# KiCad board SuS.kicad_pcb (continued)
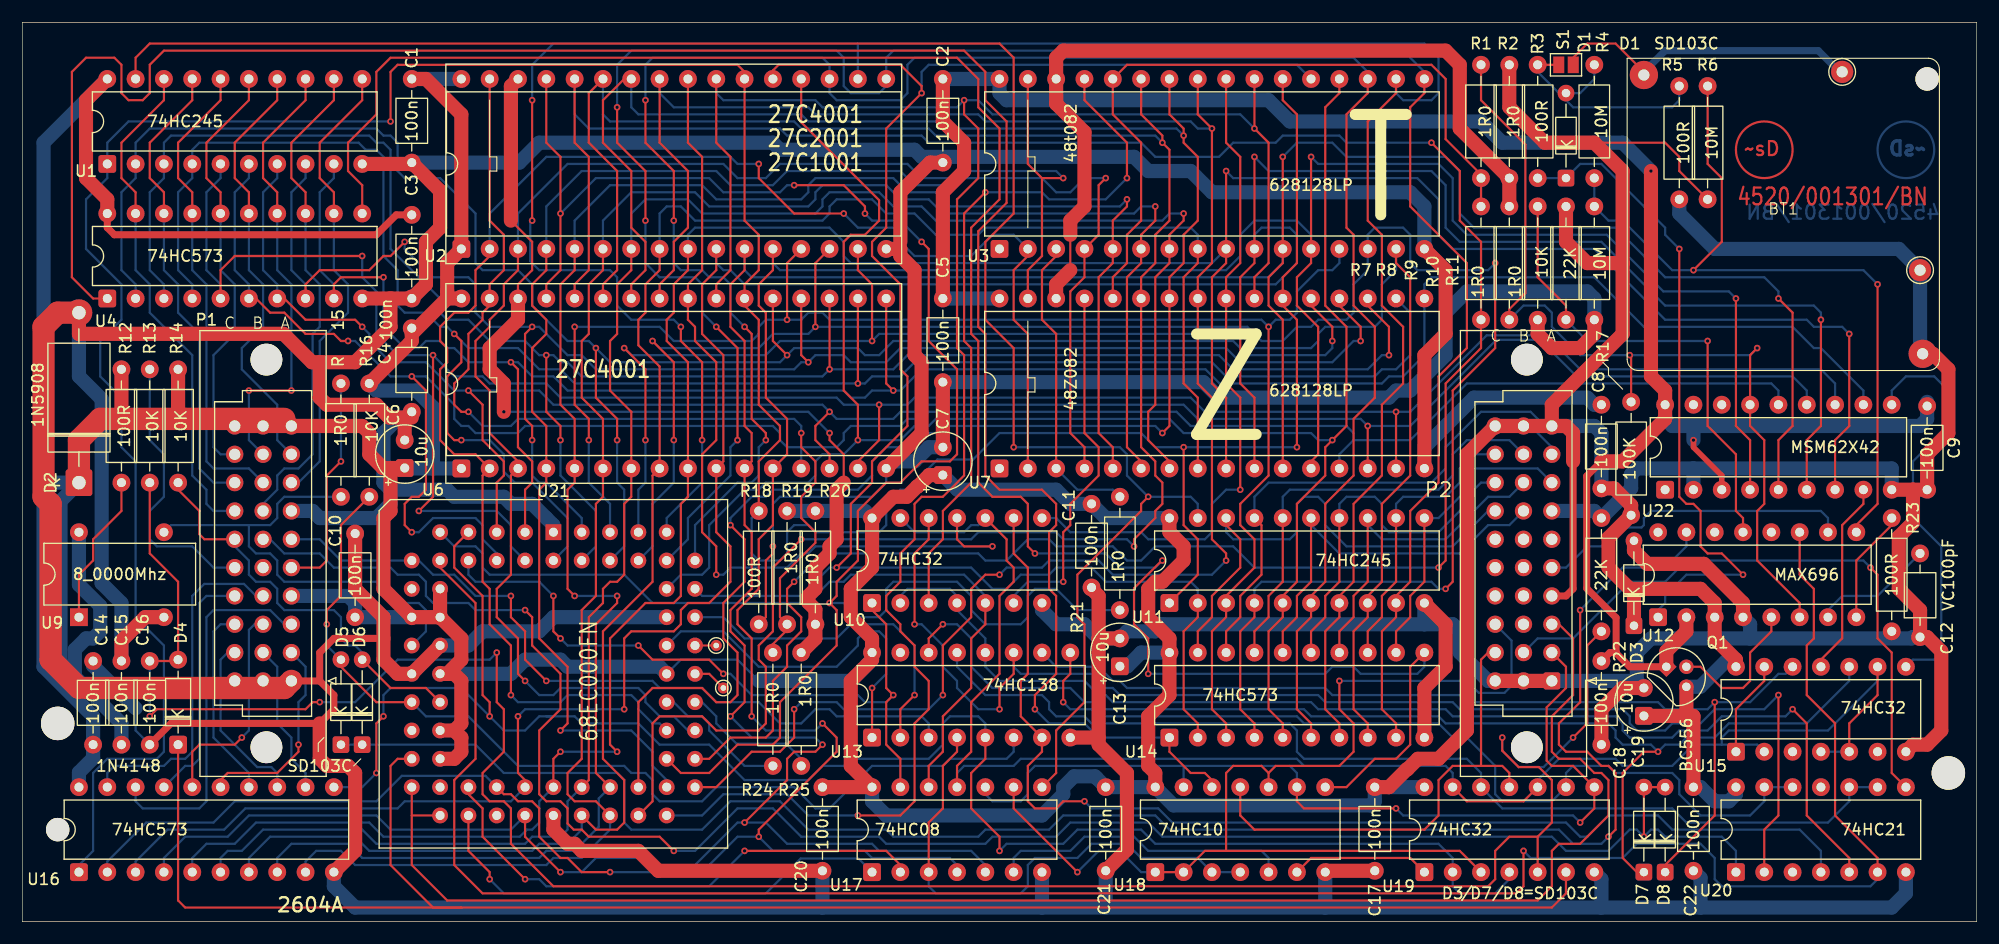
[diagram p0: board, top side]
## Routing (per net, layer and track width the routed paths; a pad name or vN(x,y) marks a point on that pad's centre or on a via; arc(x,y) is an arc through that point)
GND: length 1056.9
  Top w0.2: v1(67.31,33.66) 67.31,33.02 66.67,32.39 66.67,27.31 R18.1
  Top w0.635: 32.39,25.4 27.94,25.4 26.67,24.13 26.67,21.59 ; 26.67,21.59 P1.a1 ; 26.67,21.59 27.94,20.32 27.94,19.05 26.67,17.78 13.33,17.78 C16.1
  Top w1.27: C10.2 29.84,29.84 32.39,27.31 32.39,23.5 33.66,22.23 U21.18 U21.17 ; 26.67,50.17 25.98,50.17 23.43,52.71 5.09,52.71 5.08,52.7 D2.2 ; 26.67,50.17 29.84,50.17 33.02,53.34 33.02,55.88 ; 26.67,50.17 26.67,46.99 27.31,46.36 31.75,46.36 32.9,45.2 34.29,45.2 ; 5.08,20.95 5.72,20.95 ; P2.c1 P2.a1 ; R9.1 135.89,52.7 137.16,51.44 139.7,51.44 140.97,52.7 R11.1 ; U3.16 127.64,58.42 127.64,52.7 125.73,50.8 U7.16 ; BT1.2 171.33,50.92 172.72,49.53 172.72,43.81 170.81,41.91 C9.2 169.55,38.73 ; C19.2 143.51,20.95 141.61,19.05 C18.1 ; D3.2 144.53,33.27 145.72,32.08 150.8,32.08 154.31,28.58 U12.4 ; 26.67,17.78 26.67,14.6 27.31,13.97 29.21,13.97 29.84,13.34 29.84,6.35 U16.10 ; U1.10 34.81,67.95 C1.2 37.47,65.53 37.47,62.23 36.2,60.96 36.2,57.15 C3.2 33.02,55.88 ; U4.10 33.02,55.88 ; U2.16 78.74,60.33 78.74,59.69 80.01,58.42 80.01,50.8 80.64,50.17 80.64,43.81 U6.16 ; C15.2 8.89,25.19 11.01,27.31 U9.4 ; U11.10 127.64,26.67 127.64,22.86 125.73,20.95 U14.10 ; U15.7 169.55,15.88 170.81,15.88 172.08,17.15 172.08,24.25 170.81,25.52 C12.2 170.18,27.94 168.27,29.84 168.27,34.52 169.55,35.79 169.55,38.73 ; C20.2 57.03,4.56 55.25,6.35 50.17,6.35 49.53,6.99 48.89,6.99 47.62,8.25 U21.35 ; 96.52,25.4 96.52,29.21 95.89,29.84 ; 96.52,25.4 96.52,16.51 ; 96.52,25.4 C13.2 ; 34.29,45.2 34.92,45.2 ; 34.29,45.2 C6.2 ; U18.7 116.96,4.56 C17.2 ; U22.9 169.55,38.73 ; 96.52,16.51 96.52,15.88 99.06,13.34 99.06,6.47 C21.2 ; 96.52,16.51 U13.8 ; C5.2 C7.2 ; 78.74,60.96 78.74,65.41 81.4,68.06 C2.2
  Top w2: P1.a1 23.5,20.95 5.72,20.95 ; 5.08,20.95 2.54,23.5 2.54,37.47 1.91,38.1 1.91,53.34 3.17,54.61 D2.2
  Bottom w0.2: C16.1 10.16,17.15 10.16,19.14 ; v1(67.31,33.66) 67.31,37.47 67.95,38.1 76.2,38.1 77.47,39.37 U6.16
  Bottom w1.27: U11.10 125.73,26.67 ; 125.73,26.67 102.23,26.67 101.6,26.03 99.06,26.03 C13.2 96.52,25.4 95.25,26.67 92.71,26.67 91.44,27.94 U10.7 ; 125.73,26.67 128.27,26.67 128.9,26.03 128.9,24.13 131.44,21.59 P2.c1 ; 150.5,1.27 150.5,3.93 C22.2 ; 150.5,1.27 141.61,1.27 ; 150.5,1.27 167.64,1.27 168.91,2.54 U20.7 ; 154.94,25.4 154.94,26.67 U12.4 ; 154.94,25.4 169.43,25.4 169.55,25.52 C12.2 ; 154.94,25.4 146.05,25.4 144.78,24.13 144.78,21.59 ; 149.86,40.64 167.64,40.64 U22.9 ; 149.86,40.64 144.78,40.64 144.27,40.13 144.27,38.86 R22.2 140.97,36.83 P2.a7 ; 149.86,40.64 U22.2 ; U19.7 141.61,3.81 141.61,1.27 ; U16.10 27.94,3.18 29.84,1.27 71.75,1.27 ; C21.2 97.15,1.27 ; 97.15,1.27 116.84,1.27 ; 97.15,1.27 91.44,1.27 ; C1.2 44.57,68.06 46.36,69.85 67.31,69.85 67.95,69.22 80.01,69.22 80.64,68.58 99.7,68.58 100.96,67.31 104.77,67.31 106.68,65.41 124.46,65.41 125.73,64.14 U3.16 ; 10.16,19.14 6.35,22.95 C14.2 ; 116.84,1.27 141.61,1.27 ; 116.84,1.27 U18.7 ; C20.2 71.75,1.27 ; 71.75,1.27 91.44,1.27 ; C7.2 81.28,42.55 80.01,41.28 78.11,41.28 U6.16 ; R11.1 140.97,55.88 140.33,56.52 129.54,56.52 127.64,54.61 127.64,50.8 124.46,47.62 123.19,47.62 122.55,46.99 107.32,46.99 105.92,48.38 C5.2 ; 91.44,1.27 U17.7 ; U21.1 47.62,35.56 45.72,37.47 43.81,37.47 43.18,38.1 38.73,38.1 38.1,38.73 33.02,38.73 ; 170.18,51.16 TP4.1 168.27,60.33 151.76,60.33 148.59,63.5 R5.1 ; P2.a1 144.78,21.59 ; 144.78,21.59 C19.2 ; U21.17 40,24.77 41.28,26.03 46.36,26.03 47.62,27.31 U21.57 ; 33.02,38.73 33.02,37.47 31.75,36.2 26.67,36.2 26.03,36.83 P1.a7 ; 33.02,38.73 32.39,39.37 32.39,43.81 33.78,45.2 34.41,45.2 C4.2 ; U7.16 125.73,42.55 130.18,46.99 140.33,46.99 140.97,46.36 C8.2 ; D2.2 5.08,48.89 7.12,46.86 7.12,30.35 8.89,28.58 C15.2
VCC: length 706.2
  Top w0.2: R6.1 148.59,67.31 148.59,68.58 147.32,69.85 140.97,69.85
  Top w0.635: P2.a4 138.43,29.21 139.06,29.84 139.06,41.28 ; C3.1 33.53,63.38 31.75,61.59 8.26,61.59 7.62,62.23 U4.20
  Top w1.27: 33.02,40.68 32.34,40.68 31.11,41.91 31.11,43.81 30.48,44.45 P1.a10 ; 33.02,40.68 33.02,36.83 32.39,36.2 32.39,29.84 U21.14 U21.15 ; 33.02,40.68 C6.1 ; R10.2 138.43,60.96 140.33,59.06 143.51,59.06 ; P1.a10 23.5,45.09 ; P1.a10 P1.c10 ; 149.23,18.46 149.82,18.46 149.86,18.41 C22.1 ; 149.23,18.46 C19.1 ; 149.23,18.46 Q1.3 ; P2.a10 137.16,46.36 143.51,52.7 143.51,59.06 ; P2.a10 138.43,44.45 139.06,43.81 139.06,41.28 ; P2.a10 P2.c10 129.54,41.91 129.54,17.15 127,14.6 125.15,14.6 124.21,13.67 124.16,13.67 122.55,12.06 C17.1 ; 144.14,29.84 144.53,29.46 D3.1 ; 144.14,29.84 142.24,31.75 142.24,34.42 R17.1 144.27,37.34 142.75,38.86 C8.1 ; 144.14,29.84 150.5,29.84 151.76,28.58 U12.3 151.76,25.4 153.67,23.5 U15.14 ; U6.32 38.1,55.88 ; 38.1,55.88 34.92,52.7 34.92,52.07 R16.2 ; 38.1,55.88 38.1,59.06 U2.1 39.37,72.39 36.2,75.56 C1.1 ; U21.15 39.37,25.4 39.37,23.5 38.1,22.23 U21.19 38.73,22.23 39.37,21.59 39.37,17.78 38.73,17.15 ; U21.15 U21.13 ; U1.20 5.72,73.66 5.72,66.67 7.62,64.77 U4.20 ; R12.2 8.89,45.09 ; 143.51,59.06 143.51,67.31 140.97,69.85 136.52,69.85 133.35,73.03 R2.2 ; R14.2 13.97,45.72 14.61,45.09 ; C20.1 U17.14 74.3,13.97 74.3,21.59 76.2,23.5 U13.16 76.2,25.4 74.3,27.31 74.3,29.84 76.2,31.75 U10.14 78.11,38.1 79.32,38.1 80.26,39.04 80.31,39.04 81.32,40.05 C7.1 ; U21.25 38.73,14.6 39.37,15.24 39.37,16.51 38.73,17.15 ; U11.20 102.87,34.92 104.14,33.66 104.14,32.39 102.23,30.48 101.6,30.48 100.96,29.84 100.96,27.31 102.87,25.4 U14.20 102.87,20.32 100.96,18.41 100.96,13.97 101.6,13.34 U18.14 ; 38.73,17.15 U21.23
  Top w2: 23.5,45.09 6.98,45.09 5.08,43.18 D2.1
  Bottom w0.2: U21.53 59.06,23.5 64.14,23.5 66.04,21.59
  Bottom w1.27: U2.32 C1.1 ; 4.71,21.96 4.71,24.4 5.72,25.4 6.35,25.4 6.98,26.03 6.98,28.31 5.08,30.21 U9.8 ; 4.71,21.96 3.43,23.24 3.43,37.72 D2.1 1.91,39.37 ; 4.71,21.96 8.89,17.78 C15.1 ; U21.14 C10.1 29.84,28.58 29.21,29.21 P1.a4 ; U21.53 57.15,22.86 48.89,22.86 48.26,23.5 45.08,23.5 43.81,22.23 U21.19 ; C7.1 83.86,38.73 92.71,38.73 93.98,37.47 C11.1 97.15,36.2 U11.20 ; U17.14 76.2,10.8 77.47,9.53 91.44,9.53 93.35,11.43 93.35,12.06 94.31,13.03 96.19,13.03 96.36,12.87 96.36,12.86 C21.1 U18.14 103.24,10.43 120.92,10.43 121.29,10.8 C17.1 U19.14 ; U15.14 153.04,23.5 152.9,23.5 150.47,21.06 Q1.3 ; P2.a10 140.97,44.45 141.61,43.81 C8.1 ; 1.91,39.37 1.91,69.85 U1.20 ; 1.91,39.37 1.91,22.86 6.35,18.41 C14.1 6.35,14.66 5.08,13.39 U16.20 ; 36.83,40.64 34.33,40.64 ; 36.83,40.64 36.83,46.13 35.33,47.62 31.75,47.62 R16.2 ; 36.83,40.64 U6.1 ; U20.14 153.67,11.43 153.04,10.8 151.76,10.8 150.5,12.06 C22.1 ; 66.04,21.59 74.3,21.59 76.2,23.5 U13.16 ; R19.2 75.57,36.83 U10.14 ; C13.1 99.1,22.9 100.33,24.13 U14.20
VCCQ: length 75.2
  Top w0.2: 93.98,58.42 93.98,61.59
  Top w1.27: 93.98,61.59 93.98,62.87 95.25,64.14 95.25,70.8 92.71,73.34 U3.30 92.71,77.47 93.35,78.11 127.64,78.11 128.9,76.84 128.9,71.12 R2.1 R8.2 ; 93.98,58.42 92.71,57.15 U7.30
VDD: length 188.3
  Top w0.5: U22.3 152.4,40 149.86,42.55 v1(149.86,43.18)
  Top w0.635: C18.2 142.36,24.13 142.88,24.13 ; 142.88,24.13 142.92,24.18 142.92,27.26 140.29,29.89 140.29,39.96 141.61,41.28 ; 142.88,24.13 144.14,22.86 Q1.1
  Top w1.27: C5.1 82.55,65.41 84.45,67.31 84.45,69.85 82.55,71.75 C2.1 ; v1(146.05,67.31) 146.05,48.89 147.32,47.62 U22.18 147.32,45.09 143.51,41.28 141.61,41.28 ; 149.23,27.31 149.23,26.03 147.43,24.24 Q1.1
  Bottom w1.27: C2.1 U3.32 87.63,74.3 88.27,73.66 111.76,73.66 113.67,71.75 130.81,71.75 132.71,69.85 143.51,69.85 v1(146.05,67.31) ; U7.32 C5.1 ; 149.86,44.45 v1(149.86,43.18) ; 149.86,44.45 147.95,44.45 147.32,45.09 U22.18 ; 149.86,44.45 170.18,44.45 170.81,45.09 170.81,46.61
+BATT: length 27.2
  Top w0.2: 145.42,76.2 142.88,78.74 140.33,78.74 139.08,77.48
  Bottom w0.635: 163.08,76.08 161.05,78.11 147.32,78.11 145.42,76.2
/A20: length 3.1
  Top w0.2: U21.52 61.59,22.23 TP1.1
/A21: length 1.9
  Top w0.2: U21.54 TP2.1
/FC0: length 46.1
  Top w0.2: v1(64.77,6.35) 77.47,6.35 78.74,5.08 ; U21.30 40,11.43 41.28,10.16 41.28,7.62 v1(45.08,3.81)
  Bottom w0.2: v1(64.77,6.35) 61.59,3.18 46.99,3.18 46.36,3.81 v1(45.08,3.81)
/FC1: length 43.1
  Top w0.2: U21.29 40,6.35 41.91,4.44 v1(41.91,3.81)
  Bottom w0.2: v1(41.91,3.81) 43.18,2.54 66.67,2.54 69.8,5.67 74.98,5.67 U17.1
/LOW_LINE: length 81.7
  Top w0.2: v1(155.57,51.44) 154.94,50.8 U22.15 154.94,44.45 156.21,43.18 156.21,37.47 155.57,36.83 155.57,32.39 159.38,28.58 159.38,27.31 ; R17.2 144.27,50.67 v1(144.14,50.8) ; R1.2 130.81,73.66 134.79,69.68 134.79,56.37 133.35,54.93 R8.1
  Bottom w0.2: R8.1 134.62,55.25 136.52,55.25 137.16,54.61 137.16,53.34 139.7,50.8 v1(144.14,50.8) 154.94,50.8 v1(155.57,51.44)
/RAM1_WE: length 32.2
  Top w0.2: v1(93.35,30.48) 93.35,34.92 93.98,35.56 93.98,37.47 96.52,40 96.52,42.55 95.25,43.81 U7.29
  Bottom w0.2: 88.9,29.21 90.17,30.48 v1(93.35,30.48)
/RAM2_WE: length 63.7
  Top w0.2: U10.3 81.28,33.02 82.55,34.29 82.55,36.83 85.09,39.37 85.09,51.44 84.45,52.07 84.45,63.5 v1(86.36,65.41) ; U3.29 95.25,73.66 99.06,69.85 v1(99.06,66.67)
  Bottom w0.2: v1(86.36,65.41) 91.44,65.41 92.08,64.77 97.15,64.77 v1(99.06,66.67)
/RAM_A14: length 64.7
  Top w0.2: U7.28 97.79,57.78 99.06,59.06 99.06,61.59 100.33,62.87 100.33,69.85 97.79,72.39 U3.28 ; 130.81,66.99 127.64,70.17 127.64,75.56 126.36,76.84 99.06,76.84 98.07,75.85 ; R1.1 R7.2
/RAM_A15: length 26.9
  Top w0.2: U7.3 92.71,52.7 91.44,53.98 91.44,58.42 92.71,59.69
  Bottom w0.2: U7.3 94.61,38.73 97.79,38.73 98.42,38.1
/RAM_OE: length 60.3
  Top w0.2: U3.24 107.95,69.85 109.22,68.58 109.22,59.06 107.95,57.78 U7.24 107.95,48.26 109.22,46.99 v1(109.22,38.73)
  Bottom w0.2: v1(109.22,38.73) 107.95,38.73 106.68,37.47 106.68,34.92 106.05,34.29 100.96,34.29 100.33,34.92 93.98,34.92 92.71,36.2 U10.8
/ROM_A18: length 85.3
  Top w0.2: 43.81,62.87 45.72,60.96 45.72,58.42 44.45,57.15 U6.30 ; v1(72.39,43.81) 72.39,43.18 73.66,41.91 73.66,39.37
  Top w1.27: 73.66,39.37 73.03,38.73 73.03,34.29 72.39,33.66 72.39,33.02 71.12,31.75 71.12,29.84 70.48,29.21 70.48,28.63 71.12,27.99 R20.1 71.12,25.4 R25.2 ; U2.30 43.81,74.93 43.81,62.87 ; U6.30 44.45,53.98 41.91,51.44 41.91,49.53 43.18,48.26 v1(43.18,45.72)
  Bottom w0.2: v1(43.18,45.72) 70.48,45.72 v1(72.39,43.81)
/ROM_A19: length 86.9
  Top w0.2: v1(40,45.72) 39.37,45.72 38.73,46.36 38.73,48.26 40,49.53 40,52.7 41.28,53.98 41.28,54.61 41.91,55.25 ; R19.1 67.95,27.31 67.95,30.8 71.12,33.97 71.12,34.92 69.85,36.2 69.85,38.1 71.12,39.37 71.12,41.28 69.85,42.55 v1(69.85,43.81) ; R24.2 67.31,24.89 68.58,26.16 ; U2.31 41.91,62.87 43.18,61.59 43.18,58.42 41.91,57.15 U6.31
  Bottom w0.2: v1(40,45.72) 41.28,44.45 43.81,44.45 44.45,45.09 69.22,45.09 69.85,44.45 v1(69.85,43.81)
/ROM_OE: length 78.8
  Top w0.2: U2.24 59.69,69.85 60.96,68.58 60.96,58.42 59.69,57.15 U6.24 59.69,53.98 60.33,53.34 60.33,52.07 62.23,50.17 62.23,43.18 60.96,41.91 60.96,34.92 62.23,33.66 v1(62.23,31.12) ; v1(86.99,33.66) 84.45,33.66 83.82,34.29 U10.11
  Bottom w0.2: v1(86.99,33.66) 71.12,33.66 70.48,33.02 69.85,33.02 68.58,31.75 63.5,31.75 62.86,31.12 v1(62.23,31.12)
A1: length 301
  Top w0.2: U21.32 43.18,11.43 43.81,11.43 44.45,10.8 45.72,10.8 46.36,10.16 46.36,7.62 48.26,5.72 48.89,5.72 50.17,4.44 v1(52.7,4.44) ; v1(115.57,68.58) U3.12 115.57,59.06 114.3,57.78 114.3,55.25 116.2,53.34 116.2,41.91 115.57,41.28 ; U2.12 67.31,58.42 66.04,57.15 66.04,55.25 66.67,54.61 66.67,46.99 68.58,45.09 68.58,41.91 U6.12 67.31,35.56 66.04,34.29 66.04,29.84 64.14,27.94 64.14,26.67 65.41,25.4 v1(65.41,18.41) ; v1(153.67,55.88) 153.67,44.45 154.94,43.18 U22.4 ; v1(66.04,7.62) 66.04,8.25 73.03,15.24 73.03,16.51 v1(71.75,17.78)
  Bottom w0.2: v1(153.67,55.88) 153.04,56.52 147.16,56.52 142.08,61.59 129.54,61.59 128.27,62.87 128.27,66.67 127,67.95 116.2,67.95 v1(115.57,68.58) ; v1(65.41,18.41) 66.67,17.15 71.12,17.15 v1(71.75,17.78) ; U2.12 67.31,59.06 67.95,58.42 107.95,58.42 109.22,59.69 109.22,61.59 110.49,62.87 114.3,62.87 115.57,61.59 U3.12 ; 83.82,5.08 83.18,5.72 76.2,5.72 75.57,6.35 67.31,6.35 v1(66.04,7.62) 64.14,7.62 60.96,4.44 v1(52.7,4.44) ; U16.2 7.62,5.4 11.11,8.89 17.14,8.89 19.05,10.8 31.75,10.8 34.03,13.08 41.53,13.08 U21.32
A2: length 303.4
  Top w0.2: v1(157.48,55.88) 158.75,54.61 158.75,44.45 157.48,43.18 U22.5 ; v1(71.75,15.88) 71.12,15.24 69.22,15.24 68.58,14.6 68.58,12.7 v1(64.77,8.89) ; U21.33 45.08,7.62 v1(48.26,4.44) ; v1(63.5,18.41) 64.77,19.69 64.77,24.77 63.5,26.03 63.5,27.94 65.41,29.84 65.41,34.92 64.77,35.56 U6.11 65.41,41.28 65.41,43.81 64.77,44.45 64.77,52.07 63.5,53.34 63.5,57.15 64.77,58.42 U2.11 ; U7.11 113.03,53.98 111.76,55.25 111.76,57.78 113.03,59.06 U3.11 v1(113.03,68.58)
  Bottom w0.2: v1(157.48,55.88) 157.48,56.52 156.21,57.78 147.32,57.78 142.88,62.23 130.18,62.23 128.9,63.5 128.9,67.31 127.64,68.58 118.74,68.58 117.48,69.85 114.3,69.85 v1(113.03,68.58) ; v1(71.75,15.88) 71.12,16.51 65.41,16.51 v1(63.5,18.41) ; U2.11 64.77,58.42 65.41,57.78 111.76,57.78 113.03,59.06 U3.11 ; 86.36,5.08 85.09,6.35 76.83,6.35 76.2,6.99 68.58,6.99 66.67,8.89 v1(64.77,8.89) 64.14,8.89 60.33,5.08 55.88,5.08 55.25,5.72 51.44,5.72 50.17,4.44 v1(48.26,4.44) ; U21.33 43.81,8.25 33.02,8.25 31.75,9.53 20.32,9.53 18.42,7.62 14.61,7.62 12.7,5.72 U16.4
A3: length 272.4
  Top w0.2: U7.10 110.49,46.99 109.22,48.26 109.22,57.78 110.49,59.06 U3.10 v1(110.49,68.58) ; v1(161.29,53.98) 161.29,44.45 160.02,43.18 160.02,39.37 ; v1(44.45,18.41) 44.45,13.34 45.08,12.7 U21.34 ; v1(53.97,19.05) 53.97,25.4 54.61,26.03 58.42,26.03 59.06,26.67 59.06,27.94 59.69,28.58 61.59,28.58 63.5,30.48 63.5,33.66 62.23,34.92 U6.10 62.86,41.28 62.86,50.8 60.96,52.7 60.96,57.15 62.23,58.42 U2.10
  Bottom w0.2: U2.10 62.23,59.06 62.86,58.42 63.5,58.42 64.77,57.15 112.39,57.15 114.3,59.06 114.3,61.59 113.67,62.23 111.13,62.23 110.49,61.59 U3.10 ; v1(53.97,19.05) 45.08,19.05 v1(44.45,18.41) ; v1(110.49,68.58) 111.76,67.31 126.36,67.31 127.64,66.04 127.64,62.23 128.9,60.96 141.61,60.96 147.32,55.25 160.65,55.25 161.29,54.61 v1(161.29,53.98) ; U16.3 10.16,5.4 13.02,8.25 18.1,8.25 20,10.16 33.66,10.16 34.29,10.8 43.81,10.8 U21.34
A4: length 256.7
  Top w0.2: U7.9 107.95,46.99 106.68,48.26 106.68,57.78 107.95,59.06 U3.9 v1(107.95,67.31) ; U22.7 162.56,43.18 163.83,44.45 v1(163.83,52.7) ; v1(53.34,15.24) 52.7,15.88 52.7,25.4 55.88,28.58 58.42,28.58 59.06,29.21 59.06,37.47 59.69,38.1 U6.9 59.69,50.17 57.78,52.07 57.78,53.98 58.42,54.61 58.42,57.15 59.69,58.42 U2.9 ; U21.36 47.62,14.6 v1(48.26,15.24)
  Bottom w0.2: U16.5 15.24,5.72 16.51,6.99 19.05,6.99 20.95,8.89 31.11,8.89 32.39,7.62 44.61,7.62 45.24,8.25 45.72,8.25 46.36,8.89 46.36,10.8 U21.36 ; v1(107.95,67.31) 108.58,66.67 125.1,66.67 127,64.77 127,61.59 128.27,60.33 140.97,60.33 147.32,53.98 160.02,53.98 160.65,53.34 163.19,53.34 v1(163.83,52.7) ; U2.9 59.69,61.59 60.33,62.23 72.39,62.23 73.66,60.96 73.66,59.69 74.3,59.06 106.68,59.06 U3.9 ; v1(48.26,15.24) v1(53.34,15.24)
A5: length 172.2
  Top w0.2: U21.37 51.44,8.25 53.34,8.25 53.97,8.89 53.97,12.7 52.07,14.6 52.07,26.03 56.52,30.48 56.52,40 U6.8 57.15,49.78 55.25,51.69 55.25,53.98 55.88,54.61 55.88,57.15 57.15,58.42 U2.8 ; U3.8 105.41,59.06 104.14,57.78 104.14,48.26 105.41,46.99 U7.8
  Bottom w0.2: U3.8 105.41,61.59 104.77,62.23 86.36,62.23 85.73,61.59 81.92,61.59 80.01,63.5 77.47,63.5 76.2,64.77 73.03,64.77 72.39,64.14 72.39,63.5 71.75,62.87 60.33,62.87 59.06,64.14 57.78,64.14 57.15,63.5 U2.8 ; U16.7 20.32,5.72 22.22,7.62 29.84,7.62 31.11,6.35 45.72,6.35 46.36,6.99 48.89,6.99 50.17,8.25 U21.37
A6: length 171.4
  Top w0.2: U2.7 54.61,58.42 53.34,57.15 53.34,52.7 52.7,52.07 52.7,47.62 54.61,45.72 U6.7 54.61,38.1 53.97,37.47 53.97,31.12 53.34,30.48 52.7,30.48 52.07,29.84 52.07,28.58 50.8,27.31 50.8,12.7 U21.38 ; 102.87,41.28 100.96,43.18 100.96,45.72 101.6,46.36 101.6,57.78 102.87,59.06 U3.7 102.87,61.59 104.14,62.87 v1(104.14,63.5)
  Bottom w0.2: U2.7 54.61,63.5 55.88,64.77 59.69,64.77 60.96,63.5 71.12,63.5 71.75,64.14 71.75,64.77 72.39,65.41 76.83,65.41 78.11,64.14 80.64,64.14 81.92,62.87 102.23,62.87 102.87,63.5 v1(104.14,63.5) ; U21.38 48.89,10.8 48.89,8.25 48.26,7.62 45.72,7.62 45.08,6.99 31.75,6.99 30.48,8.25 21.59,8.25 19.69,6.35 18.42,6.35 17.78,5.72 U16.6
A7: length 168.7
  Top w0.2: 100.33,41.28 99.06,42.55 99.06,57.78 100.33,59.06 U3.6 100.33,61.59 101.6,62.87 v1(101.6,64.14) ; U21.39 51.44,10.8 49.53,10.8 48.89,11.43 48.89,13.34 50.17,14.6 50.17,27.94 51.44,29.21 51.44,37.47 52.07,38.1 U6.6 52.07,45.09 50.17,46.99 50.17,52.07 50.8,52.7 50.8,57.15 52.07,58.42 U2.6
  Bottom w0.2: v1(101.6,64.14) 100.33,64.14 99.7,63.5 82.55,63.5 81.28,64.77 78.74,64.77 77.47,66.04 71.75,66.04 71.12,65.41 71.12,64.77 70.48,64.14 61.59,64.14 60.33,65.41 54.61,65.41 52.07,62.87 U2.6 ; U16.9 25.4,5.4 26.35,6.35 28.58,6.35 29.84,5.08 46.99,5.08 47.62,5.72 50.17,5.72 52.7,8.25 U21.39
A8: length 173.3
  Top w0.2: U7.5 97.79,42.55 96.52,43.81 96.52,57.78 97.79,59.06 U3.5 97.79,62.87 99.06,64.14 v1(99.06,64.77) ; U21.40 51.44,13.34 51.44,26.67 53.34,28.58 v1(53.34,29.21) ; U2.5 49.53,58.42 48.26,57.15 48.26,46.36 49.53,45.09 U6.5 49.53,39.37 48.89,38.73 48.89,29.84 v1(49.53,29.21)
  Bottom w0.2: v1(53.34,29.21) v1(49.53,29.21) ; v1(99.06,64.77) 98.42,64.14 83.18,64.14 81.92,65.41 79.38,65.41 78.11,66.67 71.12,66.67 70.48,66.04 70.48,65.41 69.85,64.77 62.23,64.77 60.96,66.04 52.7,66.04 49.53,62.87 U2.5 ; U21.40 51.69,11.05 51.69,8.51 49.53,6.35 46.99,6.35 46.36,5.72 30.48,5.72 29.21,6.99 24.13,6.99 22.86,5.72 U16.8
A9: length 191
  Top w0.2: U6.27 52.07,57.15 53.34,58.42 53.34,67.31 50.8,69.85 50.8,74.3 U2.27 ; U21.41 56.52,10.8 56.52,17.78 57.15,18.41 60.96,18.41 62.23,17.15 66.04,17.15 66.67,17.78 66.67,22.86 66.04,23.5 66.04,24.77 67.31,26.03 67.31,31.75 v1(69.85,34.29) ; v1(99.7,33.66) 99.7,34.29 101.6,36.2 101.6,36.83 102.23,37.47 102.23,39.37 101.6,40 101.6,41.28 100.33,42.55 U7.27 100.33,57.78 101.6,59.06 101.6,61.59 102.87,62.87 102.87,69.22 v1(102.23,69.85) 102.23,70.48 100.33,72.39 U3.27
  Bottom w0.2: v1(102.23,69.85) 101.6,70.48 81.92,70.48 81.28,71.12 69.85,71.12 69.22,71.75 52.7,71.75 52.07,72.39 U2.27 ; v1(69.85,34.29) 85.09,34.29 85.73,34.92 92.71,34.92 93.35,34.29 99.06,34.29 v1(99.7,33.66)
A10: length 188.5
  Top w0.2: v1(63.5,35.56) 64.77,34.29 64.77,30.48 62.86,28.58 62.86,25.4 64.14,24.13 64.14,20.32 63.5,19.69 62.23,19.69 60.96,20.95 56.52,20.95 55.25,19.69 U21.42 ; v1(102.23,43.81) 102.87,44.45 U7.26 102.87,57.78 104.14,59.06 104.14,61.59 105.41,62.87 105.41,68.58 104.14,69.85 v1(104.14,70.48) 104.14,71.12 102.87,72.39 U3.26 ; U6.26 54.61,57.15 55.88,58.42 55.88,60.96 54.61,62.23 54.61,67.31 52.07,69.85 52.07,73.66 53.97,75.56
  Bottom w0.2: v1(63.5,35.56) 63.5,36.2 65.41,38.1 66.67,38.1 67.31,38.73 74.93,38.73 76.2,40 76.2,41.28 77.47,42.55 79.38,42.55 80.64,43.81 81.92,43.81 82.55,44.45 101.6,44.45 v1(102.23,43.81) ; U2.26 54.61,73.03 55.25,72.39 69.85,72.39 70.48,71.75 81.92,71.75 82.55,71.12 103.51,71.12 v1(104.14,70.48)
A11: length 187.7
  Top w0.2: U2.23 62.23,69.85 63.5,68.58 63.5,58.42 62.23,57.15 U6.23 ; U3.23 v1(110.49,71.12) 111.76,69.85 111.76,59.06 110.49,57.78 U7.23 ; v1(84.45,73.66) 84.45,72.39 85.73,71.12 85.73,66.67 83.82,64.77 83.82,51.44 84.45,50.8 84.45,40 82.55,38.1 80.64,38.1 80.01,37.47 80.01,34.29 78.74,33.02 78.74,30.48 77.47,29.21 77.47,27.94 78.74,26.67 78.74,26.03 80.01,24.77 80.01,22.86 81.28,21.59 81.28,19.05 80.01,17.78 80.01,10.8 78.74,9.53 v1(74.93,9.53)
  Bottom w0.2: v1(110.49,71.12) 109.22,72.39 86.99,72.39 85.73,73.66 v1(84.45,73.66) 83.82,73.03 71.75,73.03 71.12,73.66 62.86,73.66 62.23,74.3 U2.23 ; U21.43 60.96,9.53 62.86,11.43 68.58,11.43 70.48,9.53 v1(74.93,9.53)
A12: length 182.4
  Top w0.2: v1(87.63,31.12) 86.36,31.12 85.09,29.84 85.09,27.31 82.55,24.77 v1(82.55,20.32) ; U2.25 57.15,69.85 59.69,67.31 59.69,62.23 58.42,60.96 58.42,58.42 57.15,57.15 U6.25 ; U3.25 105.41,72.39 v1(106.68,71.12) 106.68,59.06 105.41,57.78 U7.25 105.41,48.26 106.68,46.99 106.68,34.29 107.95,33.02 v1(107.95,32.39) ; v1(69.22,19.05) 69.22,16.51 67.95,15.24 65.41,15.24 62.23,12.06 U21.44
  Bottom w0.2: v1(69.22,19.05) 69.85,19.69 73.03,19.69 73.66,19.05 81.28,19.05 v1(82.55,20.32) ; v1(107.95,32.39) 106.68,31.12 97.79,31.12 96.52,32.39 92.08,32.39 91.44,31.75 88.27,31.75 v1(87.63,31.12) ; v1(106.68,71.12) 105.41,71.12 104.77,71.75 86.36,71.75 85.73,72.39 71.12,72.39 70.48,73.03 58.42,73.03 57.15,74.3 U2.25
A13: length 145.7
  Top w0.2: U2.4 46.99,58.42 45.72,57.15 45.72,55.25 46.99,53.98 46.99,52.7 45.72,51.44 45.72,45.72 46.99,44.45 U6.4 46.99,39.37 46.36,38.73 46.36,25.4 48.89,22.86 48.89,17.78 v1(48.26,17.15) ; U7.4 95.25,42.55 93.98,43.81 93.98,56.52 95.25,57.78 U3.4 96.52,61.59 96.52,66.04 v1(97.15,66.67)
  Bottom w0.2: v1(97.15,66.67) 95.25,66.67 93.98,65.41 92.71,65.41 91.44,66.67 84.45,66.67 83.82,66.04 80.01,66.04 78.74,67.31 68.58,67.31 67.31,66.04 63.5,66.04 62.23,67.31 50.17,67.31 46.99,64.14 U2.4 ; U21.45 57.78,12.7 56.52,13.97 56.52,15.24 54.61,17.15 v1(48.26,17.15)
A14: length 230.1
  Top w0.2: U2.28 49.53,69.85 50.8,68.58 50.8,58.42 49.53,57.15 U6.28 ; v1(69.22,30.48) 68.58,29.84 68.58,28.58 69.85,27.31 69.85,26.03 68.58,24.77 68.58,22.86 67.31,21.59 67.31,17.15 66.67,16.51 63.5,16.51 61.59,14.6 U21.46 ; v1(126.36,69.85) 128.9,67.31 128.9,62.87 130.81,60.96 R7.1 130.81,51.44 127.64,48.26 127.64,32.39 v1(127,31.75)
  Bottom w0.2: v1(126.36,69.85) 118.74,69.85 118.11,70.48 113.03,70.48 112.39,69.85 108.58,69.85 107.32,68.58 101.6,68.58 100.33,69.85 81.28,69.85 80.64,70.48 68.58,70.48 67.95,71.12 50.8,71.12 49.53,72.39 U2.28 ; v1(69.22,30.48) 71.75,33.02 85.73,33.02 86.36,32.39 88.27,32.39 90.17,34.29 92.08,34.29 92.71,33.66 97.79,33.66 99.06,32.39 100.33,32.39 101.6,33.66 108.58,33.66 110.49,31.75 v1(127,31.75)
A15: length 159.3
  Top w0.2: v1(80.64,60.96) 81.28,60.33 81.28,52.07 83.82,49.53 83.82,41.91 83.18,41.28 80.64,41.28 78.74,39.37 77.47,39.37 74.93,36.83 74.93,32.39 73.03,30.48 73.03,29.21 v1(72.39,28.58) 73.03,27.94 73.03,24.77 67.95,19.69 67.95,16.51 67.31,15.88 64.14,15.88 61.59,13.34 59.06,13.34 U21.47 ; v1(75.57,63.5) 75.57,64.14 73.66,66.04 v1(69.22,66.04) ; U2.29 46.99,69.85 48.26,68.58 v1(48.26,63.5) 48.26,58.42 46.99,57.15 U6.29
  Bottom w0.2: v1(75.57,63.5) 76.2,62.87 78.74,62.87 v1(80.64,60.96) ; R21.1 94.61,27.94 92.71,29.84 90.8,29.84 90.17,29.21 90.17,27.31 89.54,26.67 86.36,26.67 85.09,27.94 85.09,29.21 83.82,30.48 78.11,30.48 77.47,29.84 77.47,27.94 76.83,27.31 74.93,27.31 73.66,28.58 v1(72.39,28.58) ; v1(48.26,63.5) 51.44,66.67 61.59,66.67 62.86,65.41 67.95,65.41 68.58,66.04 v1(69.22,66.04)
A16: length 139.7
  Top w0.2: U3.31 90.17,67.95 91.44,66.67 ; v1(45.08,21.59) 44.45,22.23 44.45,25.4 42.55,27.31 42.55,29.84 43.81,31.12 43.81,40 U6.3 ; 91.44,66.67 91.44,59.69 90.17,58.42 U7.31 ; 91.44,66.67 v1(93.35,66.67) ; 44.45,41.28 41.91,43.81 41.91,47.62 40.64,48.89 40.64,52.07 41.91,53.34 41.91,53.98 43.18,55.25 43.18,57.15 44.45,58.42 U2.3
  Bottom w0.2: U21.48 59.69,17.15 58.42,18.41 57.15,18.41 55.88,19.69 55.88,20.32 55.25,20.95 48.26,20.95 47.62,20.32 46.36,20.32 v1(45.08,21.59) ; v1(93.35,66.67) 92.71,67.31 83.82,67.31 83.18,66.67 80.64,66.67 79.38,67.95 67.95,67.95 66.67,66.67 64.14,66.67 62.86,67.95 48.89,67.95 44.45,63.5 U2.3
A17: length 142.7
  Top w0.2: v1(73.66,63.5) 69.22,63.5 66.04,66.67 v1(66.04,67.95) ; 41.91,59.69 40.64,58.42 40.64,55.25 40,54.61 38.73,54.61 37.47,53.34 37.47,52.07 38.1,51.44 38.1,50.17 37.47,49.53 37.47,43.18 38.73,41.91 40.64,41.91 U6.2 41.28,40 41.28,30.48 41.91,29.84 41.91,26.67 43.81,24.77 v1(43.81,20.32) ; 90.17,59.69 88.9,58.42 88.9,53.98 90.17,52.7 U7.2
  Bottom w0.2: v1(66.04,67.95) 64.14,67.95 63.5,68.58 46.99,68.58 41.91,63.5 U2.2 ; v1(43.81,20.32) 44.45,19.69 48.26,19.69 48.89,20.32 54.61,20.32 55.25,19.69 55.25,19.05 56.52,17.78 57.15,17.78 U21.49 ; U3.2 88.9,61.59 86.99,61.59 85.09,59.69 80.01,59.69 78.74,60.96 78.74,61.59 78.11,62.23 74.93,62.23 v1(73.66,63.5)
A18: length 12
  Bottom w0.2: 69.85,14.6 68.5,15.96 64.05,15.96 62.23,17.78 62.23,18.41 60.96,19.69 U21.50
A19: length 12.3
  Bottom w0.2: U21.51 58.42,19.69 59.69,18.41 60.96,18.41 61.59,17.78 61.59,17.15 64.77,13.97 R24.1
A22: length 32.9
  Top w0.2: U13.1 v1(76.2,20.95)
  Bottom w0.2: v1(76.2,20.95) 77.47,22.23 77.47,25.4 76.83,26.03 75.57,26.03 74.93,25.4 74.93,24.77 73.03,22.86 66.04,22.86 62.86,26.03 59.06,26.03 U21.55
A23: length 30.6
  Top w0.2: v1(80.01,20.32) 78.74,19.05 U13.2
  Bottom w0.2: U21.56 62.86,27.31 64.77,25.4 73.03,25.4 74.3,26.67 78.11,26.67 80.01,24.77 v1(80.01,20.32)
ADRIO1: length 30.3
  Bottom w0.2: 20.95,29.21 19.88,30.29 16.32,30.29 15.24,29.21 15.24,15.24 14.61,14.6 13.33,14.6 12.7,13.97 8.26,13.97 7.62,13.34 U16.19
ADRIO2: length 21.6
  Bottom w0.2: P1.c4 16.51,29.21 15.88,28.58 15.88,14.6 15.24,13.97 14.61,13.97 U16.17
ADRIO3: length 32.4
  Bottom w0.2: 23.5,26.67 22.22,27.94 17.14,27.94 16.51,27.31 16.51,10.8 15.88,10.16 10.8,10.16 10.16,10.8 U16.18
ADRIO4: length 19.5
  Top w0.2: v1(19.69,16.51) 19.05,15.88 15.88,15.88 15.24,15.24 U16.16
  Bottom w0.2: P1.b3 20.83,26.67 20.32,26.16 20.32,17.15 v1(19.69,16.51)
ADRIO5: length 17.5
  Bottom w0.2: U16.14 20.32,13.34 17.14,16.51 17.14,26.03 17.78,26.67 P1.c3
ADRIO6: length 17.7
  Top w0.2: 17.78,12.7 18.42,13.34 22.86,13.34 24.77,15.24 v1(24.77,15.88)
  Bottom w0.2: v1(24.77,15.88) 24.77,19.69 25.4,20.32 25.4,22.86 24.13,24.13
ADRIO7: length 13.6
  Bottom w0.2: 21.59,24.13 22.86,22.86 22.86,17.78 24.13,16.51 24.13,14.6 25.4,13.34 U16.12
ADRIO8: length 15.2
  Bottom w0.2: 18.42,24.13 17.78,23.5 17.78,17.15 21.06,13.86 22.33,13.86 22.86,13.34 U16.13
AS: length 157.6
  Top w0.2: U21.7 38.73,33.66 38.73,31.75 41.28,29.21 41.28,20.32 41.91,19.69 v1(41.91,18.41) ; v1(87.63,6.35) 87.63,7.62 85.09,10.16 85.09,13.34 86.36,14.6 U13.5 ; v1(32.39,18.41) 31.75,17.78 v1(31.75,13.34)
  Bottom w0.2: v1(87.63,6.35) 88.27,6.99 93.35,6.99 94.61,8.25 100.33,8.25 101.6,6.99 127,6.99 128.27,5.72 U19.2 128.27,3.18 128.9,2.54 132.08,2.54 133.35,3.81 ; U16.11 30.48,12.06 v1(31.75,13.34) ; U13.5 86.36,17.78 85.73,18.41 83.18,18.41 82.55,17.78 82.55,15.88 81.28,14.6 74.3,14.6 73.66,13.97 71.75,13.97 70.48,12.7 64.77,12.7 61.59,15.88 57.15,15.88 55.25,17.78 50.17,17.78 49.53,18.41 46.99,18.41 47.62,18.41 46.36,18.41 45.08,17.15 43.18,17.15 v1(41.91,18.41) 39.37,20.95 33.02,20.95 32.39,20.32 v1(32.39,18.41)
BATT_OK: length 28.8
  Bottom w0.2: P2.a5 138.43,31.75 140.33,33.66 141.61,33.66 143.3,35.35 145.2,35.35 145.42,35.56 145.42,36.2 146.05,36.83 161.29,36.83 161.93,36.2 U12.10
BERR: length 160.1
  Top w0.2: U19.6 138.43,2.54 137.16,1.27 39.37,1.27 ; U21.24 33.66,14.6 33.02,13.97 33.02,5.08 36.83,1.27 39.37,1.27 ; 39.37,1.27 14.61,1.27 13.97,1.91 D4.1
cBERR: length 25
  Bottom w0.2: P1.c5 17.14,31.75 15.24,33.66 12.06,33.66 11.43,34.29 11.43,36.83 12.7,38.1 12.7,41.91 11.43,43.18 R13.2
CE: length 290.7
  Top w0.2: 113.03,55.25 114.3,53.98 v1(114.3,42.55) ; U3.22 113.03,73.66 114.3,72.39 114.3,59.06 113.03,57.78 U7.22 ; U2.22 64.77,62.87 66.04,61.59 66.04,58.42 64.77,57.15 U6.22 ; v1(104.14,42.55) 104.14,35.56 105.41,34.29 105.41,31.12 U11.1 ; 64.77,55.25 66.04,53.98 66.04,46.36 67.95,44.45 67.95,43.18 66.04,41.28 R18.2 ; v1(33.02,71.75) 33.02,76.2 33.66,76.84 64.14,76.84 64.77,76.2
  Bottom w0.2: v1(33.02,71.75) 9.53,71.75 7.62,69.85 U1.1 7.62,66.67 5.72,64.77 5.72,60.33 8.89,57.15 8.89,53.98 6.98,52.07 6.98,48.89 8.89,46.99 8.89,42.55 10.16,41.28 10.16,27.31 12.7,24.77 12.7,15.24 12.06,14.6 7.62,14.6 6.35,13.34 6.35,6.35 5.08,5.08 ; R18.2 65.41,36.2 65.41,33.02 66.04,32.39 67.95,32.39 68.58,33.02 68.58,34.92 69.22,35.56 70.48,35.56 71.12,34.92 76.83,34.92 77.47,35.56 77.47,37.47 78.74,38.73 79.38,38.73 80.64,40 80.64,40.03 82.06,41.44 85.26,41.44 87.63,43.81 100.33,43.81 101.6,42.55 v1(104.14,42.55) v1(114.3,42.55)
CLK: length 42.5
  Bottom w0.2: 20.32,35.56 20.32,33.66 20.95,33.02 22.22,33.02 22.86,32.39 22.86,31.12 23.5,30.48 31.75,30.48 33.66,28.58 35.56,28.58 36.2,27.94 36.2,26.03 U21.16 ; 20.32,35.56 22.22,35.56 22.86,36.2 22.86,37.47 23.5,38.1 R15.1 ; 20.32,35.56 13.33,35.56 U9.5
CLOCKOUT: length 19.8
  Top w0.2: v1(28.58,41.28) 27.31,40 27.31,32.39 26.67,31.75 P1.a5
  Bottom w0.2: R15.2 v1(28.58,41.28)
D0: length 195.3
  Top w0.2: v1(29.21,52.07) 28.58,52.07 27.94,52.7 25.4,52.7 23.5,54.61 22.22,54.61 20.95,55.88 ; v1(34.92,34.92) 34.29,35.56 34.29,37.47 34.92,38.1 35.56,38.1 36.2,38.73 36.2,47.62 v1(34.92,48.89)
  Bottom w0.2: U22.14 157.48,47.62 156.85,48.26 129.54,48.26 124.46,43.18 119.38,43.18 ; v1(29.21,52.07) 29.84,52.07 33.02,48.89 v1(34.92,48.89) 36.2,48.89 38.73,46.36 38.73,45.09 39.37,44.45 40,44.45 40.64,43.81 44.45,43.81 45.08,44.45 67.31,44.45 67.95,43.81 67.95,43.18 68.58,42.55 69.85,42.55 ; U21.6 42.55,33.02 41.28,34.29 41.28,35.56 40.64,36.2 36.83,36.2 35.56,34.92 v1(34.92,34.92) ; 119.38,43.18 119.38,43.81 118.74,44.45 104.77,44.45 103.51,45.72 81.28,45.72 80.64,45.09 79.38,45.09 78.74,44.45 74.3,44.45 73.66,43.81 73.66,43.18 73.03,42.55 69.85,42.55 ; 119.38,43.18 118.11,41.91 U7.13 ; 69.85,42.55 U6.13 ; U1.6 20.32,66.67 19.05,65.41 19.05,58.42 20.32,57.15 U4.6
D1: length 186.4
  Top w0.2: v1(72.39,45.72) 71.12,44.45 71.12,43.18 72.39,41.91 U6.14 ; U21.5 42.55,39.37 43.18,40 43.18,41.28 41.28,43.18 41.28,46.36 v1(40,47.62) ; v1(30.48,53.34) 29.84,53.98 25.4,53.98 23.5,55.88 ; U7.14 v1(120.65,44.45)
  Bottom w0.2: U1.7 22.86,66.67 21.59,65.41 21.59,58.42 22.86,57.15 U4.7 ; U22.13 160.02,47.62 158.75,48.89 139.38,48.89 136.1,52.18 132.19,52.18 124.46,44.45 v1(120.65,44.45) 120.02,45.09 105.41,45.09 104.14,46.36 80.64,46.36 80.01,45.72 78.74,45.72 78.11,45.09 73.03,45.09 v1(72.39,45.72) 71.75,46.36 47.62,46.36 46.36,47.62 v1(40,47.62) 38.73,47.62 36.2,50.17 33.02,50.17 31.11,52.07 31.11,52.7 v1(30.48,53.34)
D2: length 215.1
  Top w0.2: v1(30.48,59.69) 19.05,59.69 17.78,58.42 U4.5 ; v1(76.83,46.36) 76.83,43.18 74.93,41.28 ; v1(35.56,36.83) 36.83,38.1 v1(36.83,50.8) ; U7.15 v1(123.19,45.72)
  Bottom w0.2: U22.12 162.56,48.26 161.29,49.53 139.7,49.53 136.65,52.58 131.32,52.58 124.46,45.72 v1(123.19,45.72) 106.05,45.72 104.77,46.99 80.01,46.99 79.38,46.36 v1(76.83,46.36) 73.66,46.36 73.03,46.99 48.26,46.99 46.99,48.26 41.91,48.26 41.28,48.89 38.73,48.89 v1(36.83,50.8) 33.66,50.8 31.75,52.7 31.75,56.52 30.48,57.78 v1(30.48,59.69) ; U4.5 17.78,57.15 16.51,58.42 16.51,65.41 17.78,66.67 U1.5 ; v1(35.56,36.83) 42.55,36.83 43.81,35.56 43.81,33.66 U21.4
